# Allegro board MB1219_REVB_160112.brd (continued)
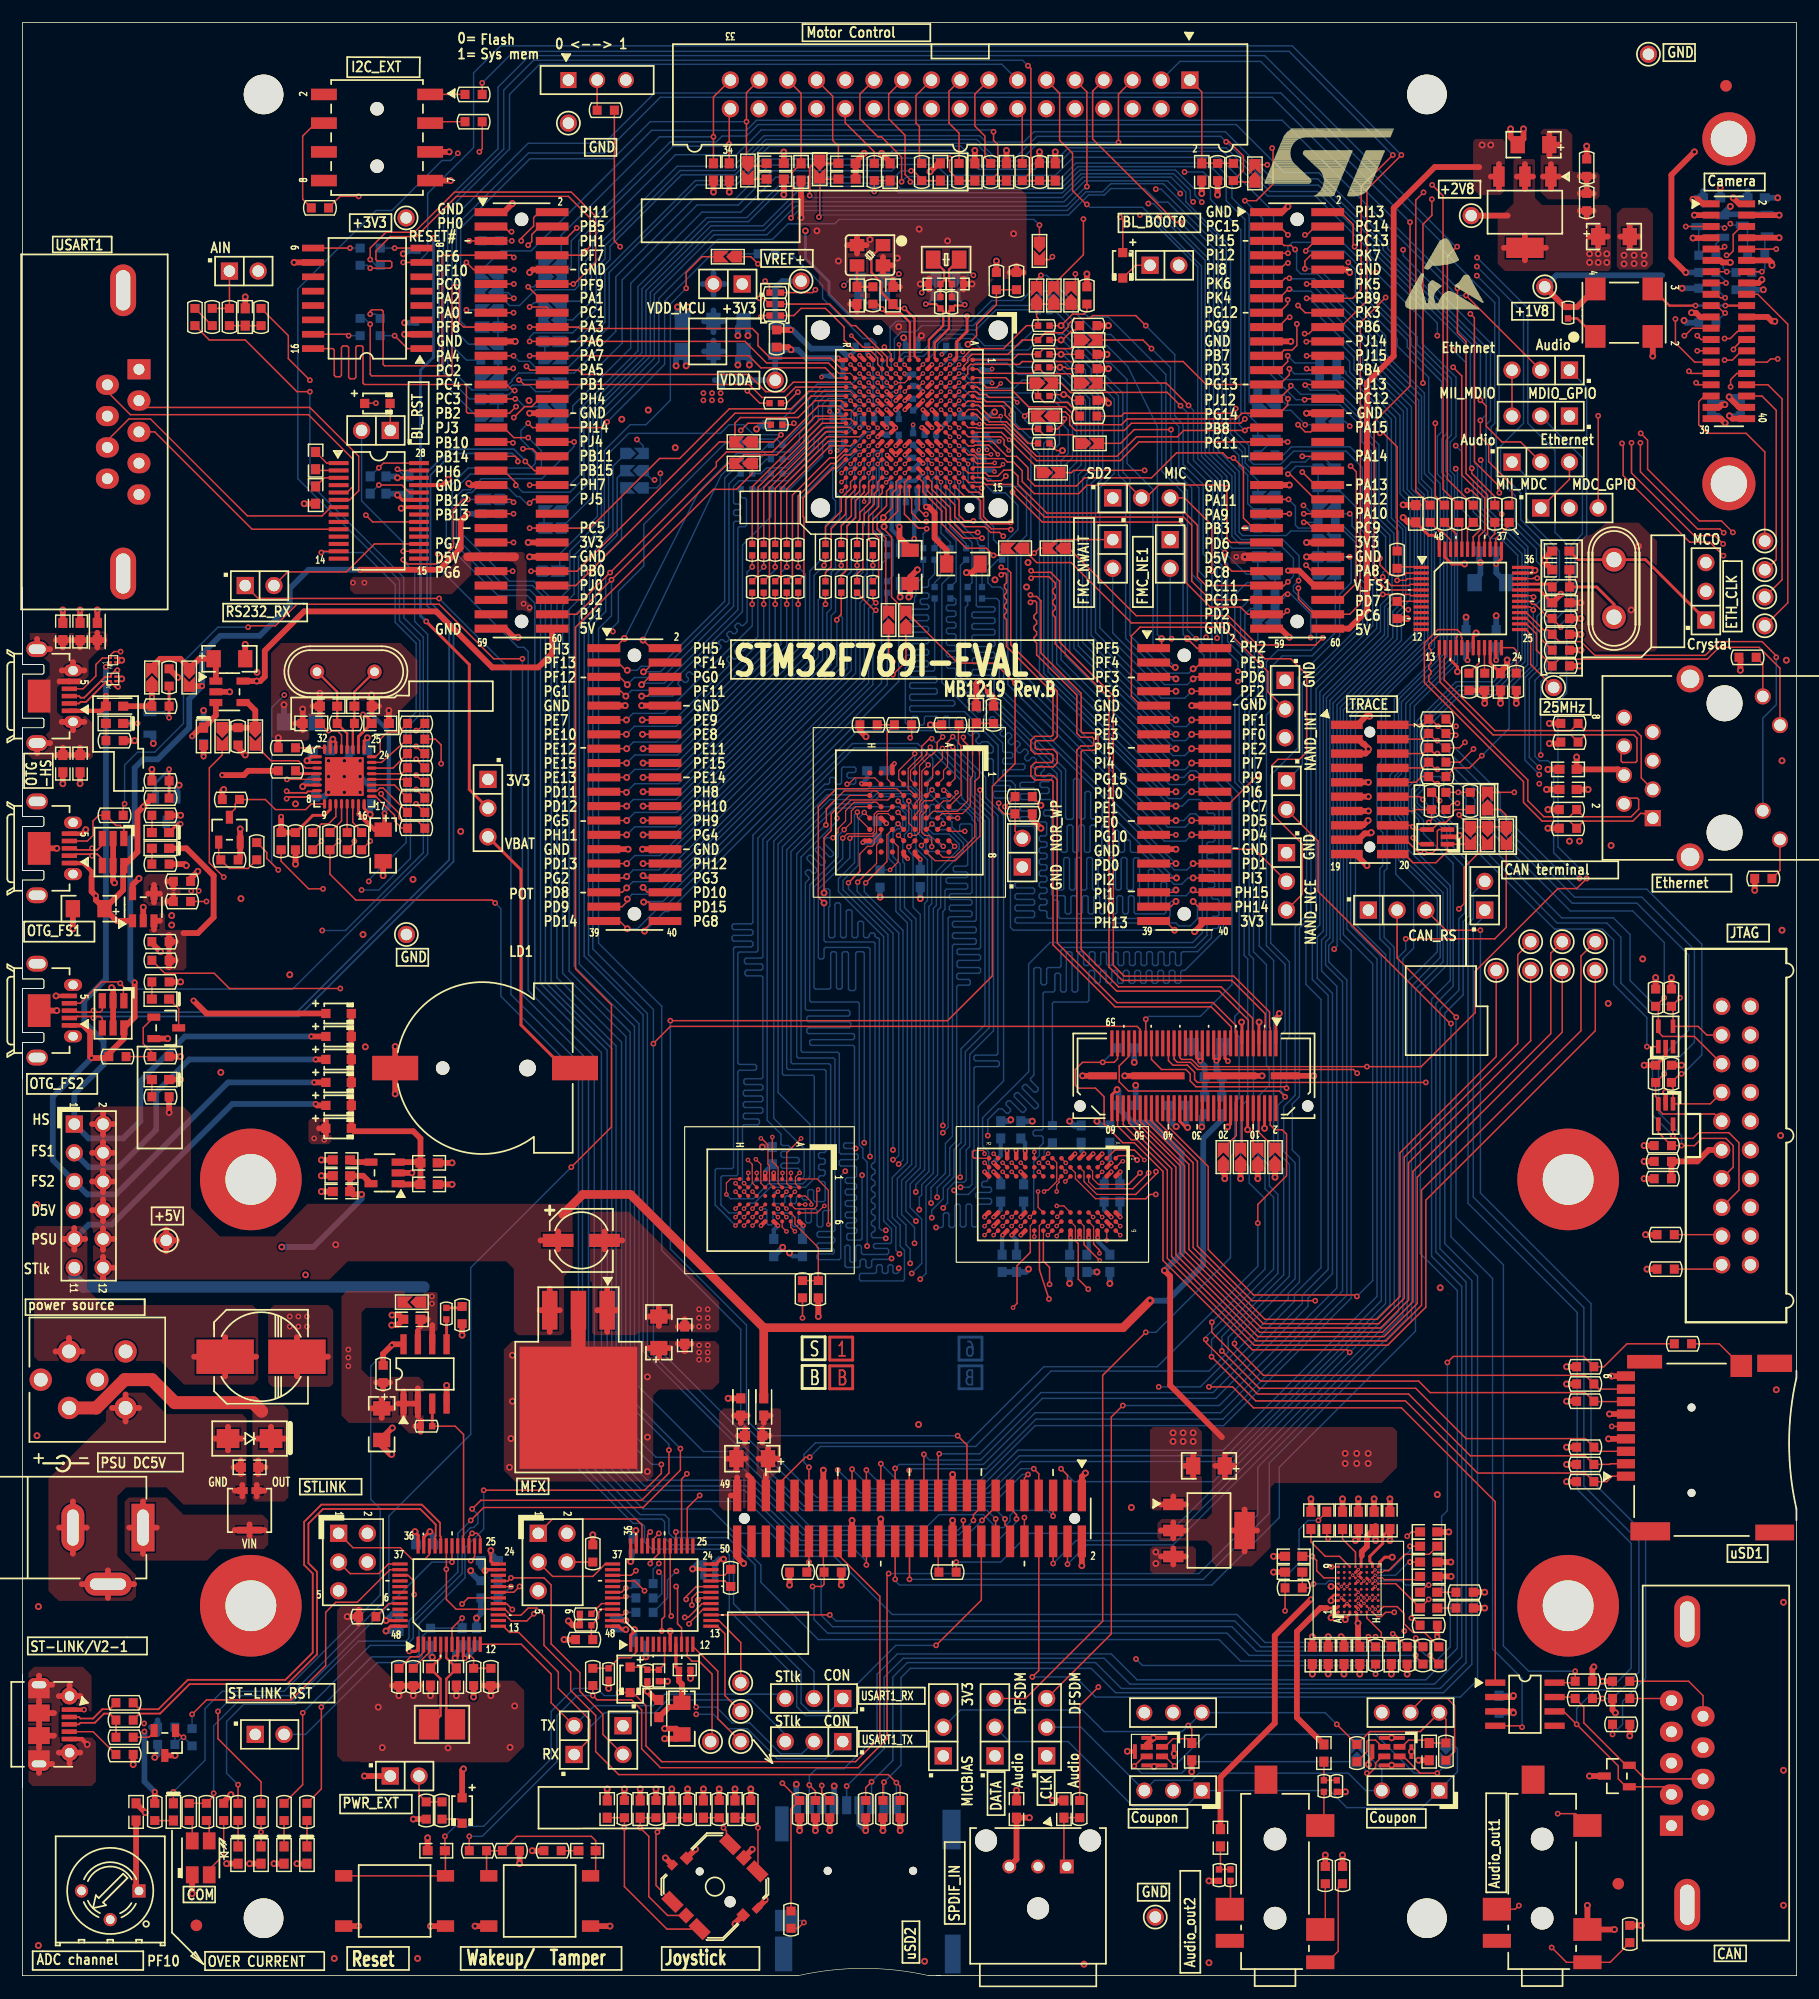
[diagram p0: board, top side]
## Routing (per net, layer and track width the routed paths; a pad name or vN(x,y) marks a point on that pad's centre or on a via; arc(x,y) is an arc through that point) (continued)
CAMERA_CLK: length 8.9
  TOP w0.203: X3.3 145.62,147.69 v1(147.93,147.69) ; CN4.20 v1(150.57,147.69)
  BOTTOM w0.203: v1(150.57,147.69) v1(147.93,147.69)
CEC: length 12.4
  TOP w0.127: U4.B6 83.58,139.26 84.16,139.26 84.23,139.19 84.71,139.19 85.09,138.81 86.58,138.81 86.88,138.51 86.88,137.99 88.09,136.78 R44.1 90.3,136.27 92.84,136.27 SB14.2
D0: length 150.3
  TOP w0.102: U9.E3 77.3,104.98 71.96,104.98 71.88,104.9 ; v3(85.06,66.29) U15.R8 ; U16.B6 67.92,66.2 v3(68.29,65.82)
  TOP w0.127: v4(70.87,94.87) 70.36,95.38 70.36,103.38 71.88,104.9 ; CN10.39 52.78,93.27 v4(53.47,92.58)
  L4_SIG w0.102: v3(68.29,65.82) 68.29,65.84 68.42,65.96 69.04,65.96 69.47,65.53 75.72,65.53 76.05,65.2 v1(76.33,65.2) 76.38,65.2 76.61,65.43 81.15,65.43 81.61,65.89 84.66,65.89 v3(85.06,66.29) ; v4(70.87,94.87) 70.87,93.22 70.59,92.94 70.33,92.94 70.23,93.04 70.23,93.34 70.13,93.45 69.93,93.45 69.82,93.34 69.82,93.04 69.72,92.94 69.52,92.94 69.42,93.04 69.42,93.34 69.32,93.45 69.11,93.45 69.01,93.34 69.01,93.04 68.91,92.94 68.71,92.94 68.61,93.04 68.61,93.34 68.5,93.45 68.3,93.45 68.2,93.34 68.2,93.04 68.1,92.94 67.89,92.94 67.79,93.04 67.79,93.34 67.69,93.45 67.49,93.45 67.39,93.34 67.39,93.04 67.28,92.94 67.08,92.94 66.98,93.04 66.98,93.34 66.88,93.45 66.67,93.45 66.57,93.34 66.57,93.04 66.47,92.94 66.27,92.94 66.17,93.04 66.17,93.34 66.07,93.45 65.86,93.45 65.76,93.34 65.76,93.04 65.66,92.94 65.46,92.94 65.35,93.04 65.35,93.34 65.25,93.45 65.05,93.45 64.95,93.34 64.95,93.04 64.85,92.94 64.64,92.94 64.54,93.04 64.54,93.34 64.44,93.45 64.24,93.45 64.14,93.34 64.14,93.04 64.03,92.94 63.83,92.94 63.73,93.04 63.73,93.34 63.63,93.45 63.42,93.45 63.32,93.34 63.32,93.04 63.22,92.94 63.02,92.94 62.92,93.04 62.92,93.34 62.81,93.45 62.61,93.45 62.51,93.34 62.51,93.04 62.41,92.94 62.2,92.94 62.1,93.04 62.1,93.34 62,93.45 61.8,93.45 61.7,93.34 61.7,93.04 61.59,92.94 61.39,92.94 61.29,93.04 61.29,93.34 61.19,93.45 60.99,93.45 60.88,93.34 60.88,93.04 60.78,92.94 60.58,92.94 60.48,93.04 60.48,93.34 60.38,93.45 60.17,93.45 60.07,93.34 60.07,93.04 59.97,92.94 59.77,92.94 59.66,93.04 59.66,93.34 59.56,93.45 59.36,93.45 59.26,93.34 59.26,93.04 59.16,92.94 58.95,92.94 58.85,93.04 58.85,93.34 58.75,93.45 58.55,93.45 58.45,93.34 58.45,93.04 58.34,92.94 58.14,92.94 58.04,93.04 58.04,93.34 57.94,93.45 57.73,93.45 57.63,93.34 57.63,93.04 57.53,92.94 57.33,92.94 57.23,93.04 57.23,93.34 57.12,93.45 56.92,93.45 56.82,93.34 56.82,93.04 56.72,92.94 56.52,92.94 56.41,93.04 56.41,93.34 56.31,93.45 56.11,93.45 56.01,93.34 56.01,93.04 55.91,92.94 55.7,92.94 55.6,93.04 55.6,93.34 55.5,93.45 55.3,93.45 55.19,93.34 55.19,93.04 55.09,92.94 54.86,92.94 54.51,92.58 v4(53.47,92.58)
  BOTTOM w0.127: v4(53.47,92.58) 54.36,92.58 56.39,94.61 56.9,94.61 76.45,114.17 R278.2 ; v4(70.87,94.87) 70.87,91.54 70.99,91.41 75.25,91.41 75.37,91.29 75.37,71.99 75.25,71.86 75.18,71.86 75.06,71.74 75.06,71.48 75.18,71.35 75.25,71.35 75.37,71.23 75.37,70.97 75.25,70.85 75.18,70.85 75.06,70.72 75.06,70.47 75.18,70.34 75.25,70.34 75.37,70.21 75.37,69.96 75.25,69.83 75.18,69.83 75.06,69.7 75.06,69.45 75.18,69.32 75.25,69.32 75.37,69.2 75.37,68.94 75.25,68.81 75.18,68.81 75.06,68.69 75.06,68.43 75.18,68.31 75.25,68.31 75.37,68.18 75.37,67.93 75.25,67.8 75.18,67.8 75.06,67.67 75.06,67.42 75.18,67.29 75.25,67.29 75.37,67.16 75.37,66.91 75.25,66.78 75.18,66.78 75.06,66.66 75.06,66.4 75.18,66.27 75.25,66.27 75.37,66.15 75.37,65.89 75.25,65.77 75.18,65.77 75.06,65.64 75.06,65.39 75.18,65.26 76.27,65.26 v1(76.33,65.2)
D0_N: length 27.8
  TOP w0.155: U8.8 25.65,104.29 25.59,104.35 25.39,104.35 25.26,104.23 23.48,104.23 v1(23.34,104.09) ; CN8.2 4.99,112.51 5.12,112.64 5.61,112.64 7.46,114.49 7.8,114.49 D4.A1 7.8,114.37 8.2,113.97 v1(8.44,113.97)
  L4_SIG w0.13: v1(8.44,113.97) 8.84,113.97 9.47,114.6 11.6,114.6 20.62,105.59 21.38,105.59 22.74,104.23 23.2,104.23 v1(23.34,104.09)
D0_P: length 27.7
  TOP w0.155: CN8.3 4.99,113.16 5.12,113.02 5.45,113.02 7.3,114.87 7.79,114.87 D4.A2 7.8,115.04 8.2,115.44 v1(8.38,115.44) ; U8.7 25.71,104.8 25.65,104.74 25.23,104.74 25.11,104.61 23.48,104.61 v1(23.34,104.75)
  L4_SIG w0.13: v1(8.38,115.44) 8.97,115.44 9.42,114.99 11.76,114.99 20.78,105.97 21.54,105.97 22.9,104.61 23.2,104.61 v1(23.34,104.75)
D1: length 150.7
  TOP w0.102: U16.C5 v3(67.54,67.08) ; 71.88,103.12 73.13,104.37 U9.H3 ; v3(86.66,67.09) U15.N7
  TOP w0.127: v4(70.87,95.76) 70.87,100.63 71.5,101.27 71.5,102.74 71.88,103.12 ; CN10.38 55.75,94.54 55.35,94.95 v4(54.91,94.95)
  L4_SIG w0.102: v4(70.87,95.76) 70.51,95.76 70.38,95.63 70.38,93.9 70.26,93.78 57.05,93.78 56.95,93.88 56.95,95 56.83,95.12 56.66,95.12 56.55,95 56.55,93.88 56.44,93.78 56.24,93.78 56.14,93.88 56.14,94.95 56.02,95.07 55.85,95.07 55.73,94.95 55.73,93.88 55.63,93.78 55.4,93.78 55.27,93.9 55.27,94.82 55.14,94.95 v4(54.91,94.95) ; v3(86.66,67.09) 86.26,66.69 84.85,66.69 84.35,66.19 81.46,66.19 81,65.74 76.5,65.74 v1(76.33,65.91) 75.28,65.91 75.13,66.07 74.87,66.07 74.72,65.91 74.47,65.91 74.31,66.07 74.06,66.07 73.91,65.91 73.65,65.91 73.5,66.07 73.25,66.07 73.09,65.91 72.84,65.91 72.69,66.07 72.43,66.07 72.28,65.91 72.03,65.91 71.88,66.07 71.62,66.07 71.47,65.91 70.87,65.91 70.74,66.04 70.74,66.43 70.61,66.56 70.36,66.56 70.23,66.43 70.23,66.14 70.1,66.01 69.82,66.01 69.7,66.14 69.7,66.67 69.29,67.08 68.35,67.08 68.22,66.95 68.22,66.73 68.1,66.6 67.92,66.6 67.79,66.73 67.79,66.95 67.67,67.08 v3(67.54,67.08)
  BOTTOM w0.127: R266.2 76.45,125.35 75.95,124.84 75.95,114.31 56.63,95 54.97,95 v4(54.91,94.95) ; v4(70.87,95.76) 70.87,95.99 70.99,96.11 71.25,96.11 71.37,95.99 71.37,94.59 71.27,94.49 71.27,91.92 71.4,91.8 71.69,91.8 71.82,91.92 71.82,94.74 71.95,94.87 72.2,94.87 72.33,94.74 72.33,91.92 72.45,91.8 72.71,91.8 72.83,91.92 72.83,94.13 72.96,94.26 73.22,94.26 73.34,94.13 73.34,91.92 73.47,91.8 73.72,91.8 73.85,91.92 73.85,93.12 73.98,93.24 74.23,93.24 74.36,93.12 74.36,91.92 74.49,91.8 74.74,91.8 74.87,91.92 74.87,92.08 74.99,92.2 75.25,92.2 75.37,92.08 75.37,91.92 75.5,91.8 75.63,91.8 75.76,91.67 75.76,66.1 75.95,65.91 v1(76.33,65.91)
D2: length 140.2
  TOP w0.102: v3(67.54,65.82) 67.16,66.2 U16.C6 ; v3(85.06,65.49) U15.R9 ; U9.E4 v5(77.41,103.87)
  TOP w0.127: CN11.31 v4(101.98,98.35)
  L4_SIG w0.102: v4(101.98,98.35) 100.03,98.35 98.98,99.39 86.92,99.39 86.79,99.52 86.79,101.47 86.66,101.6 86.21,101.6 86.11,101.5 86.11,99.52 86.01,99.42 85.8,99.42 85.7,99.52 85.7,101.5 85.6,101.6 85.4,101.6 85.3,101.5 85.3,99.52 85.19,99.42 84.99,99.42 84.89,99.52 84.89,101.5 84.79,101.6 82.3,101.6 81.84,101.14 79.76,101.14 77.41,103.49 v5(77.41,103.87) ; v3(85.06,65.49) 85.06,64.9 84.93,64.77 84.63,64.77 84.51,64.9 84.51,65.3 84.4,65.41 84.2,65.41 84.1,65.3 84.1,64.87 84,64.77 83.79,64.77 83.69,64.87 83.69,65.3 83.59,65.41 83.39,65.41 83.29,65.3 83.29,64.87 83.19,64.77 82.98,64.77 82.88,64.87 82.88,65.31 82.76,65.43 82.59,65.43 82.47,65.31 82.47,64.87 82.37,64.77 82.17,64.77 82.07,64.87 82.07,65.36 81.95,65.48 81.78,65.48 81.66,65.36 81.66,64.87 81.56,64.77 v1(78.87,64.77) 75.39,64.77 75.01,65.15 68.21,65.15 v3(67.54,65.82)
  BOTTOM w0.127: v4(101.98,98.35) 101.96,98.35 86.74,113.56 86.74,122.53 86.46,122.81 85.72,122.81 85.34,123.19 85.34,124.3 86.26,125.22 R272.2 ; v5(77.41,103.87) 77.41,103.82 78.36,102.87 78.36,101.31 77.97,100.92 77.97,100.27 77.83,100.13 77.83,98.51 77.98,98.36 77.98,94.46 78.99,93.45 78.99,71.6 77.72,70.33 77.72,67.31 78.87,66.17 v1(78.87,64.77)
D2_P: length 140.1
  TOP w0.155: CN13.3 4.69,99.69 4.83,99.56 6,99.56 v1(6.14,99.7) 6.28,99.56 6.6,99.56 7.05,100.01 D5.3
  L4_SIG w0.13: v1(113.26,130.02) 112.99,130.29 112.99,130.46 113.14,130.61 114.22,130.61 114.81,130.02 114.81,123.25 113.28,121.72 110.31,121.72 109.07,120.47 99.24,120.47 96.9,118.14 59.21,118.14 57.12,120.22 50.85,120.22 47.88,117.25 47.88,115.14 38.05,105.31 38.05,103.17 33.27,98.4 25.78,98.4 24.18,100 10.26,100 9.82,99.56 6.28,99.56 v1(6.14,99.7)
  BOTTOM w0.127: v1(113.26,130.02) 113.28,130.02 114.02,129.29 115.06,129.29 115.49,129.72
D3: length 141.1
  TOP w0.102: U9.H4 74.89,103.39 73.67,103.39 73.28,103 73.28,101.98 v5(72.64,101.35) ; U16.D5 v3(66.79,67.08) ; v3(86.66,66.29) U15.N8
  TOP w0.127: CN11.32 v4(103.5,98.35)
  L4_SIG w0.102: v3(86.66,66.29) 86.48,66.29 86.11,65.91 85.72,65.91 85.47,65.66 85.47,64.87 85.06,64.47 79.2,64.47 78.99,64.26 74.93,64.26 v1(74.68,64.52) 74.15,64.52 74.05,64.62 74.05,64.72 73.95,64.82 73.74,64.82 73.64,64.72 73.64,64.62 73.54,64.52 73.34,64.52 73.23,64.62 73.23,64.72 73.13,64.82 72.93,64.82 72.83,64.72 72.83,64.62 72.73,64.52 72.52,64.52 72.42,64.62 72.42,64.72 72.32,64.82 72.12,64.82 72.01,64.72 72.01,64.62 71.91,64.52 71.71,64.52 71.61,64.62 71.61,64.72 71.51,64.82 71.3,64.82 71.2,64.72 71.2,64.62 71.1,64.52 70.9,64.52 70.8,64.62 70.8,64.72 70.69,64.82 70.49,64.82 70.39,64.72 70.39,64.62 70.29,64.52 70.08,64.52 69.98,64.62 69.98,64.72 69.88,64.82 69.68,64.82 69.58,64.72 69.58,64.62 69.47,64.52 69.27,64.52 69.17,64.62 69.17,64.72 69.07,64.82 68.87,64.82 68.76,64.72 68.76,64.62 68.66,64.52 68.3,64.52 67.18,65.63 67.18,66.69 v3(66.79,67.08) ; v5(72.64,101.35) 72.76,101.23 78.73,101.23 79.38,100.58 82.47,100.58 84.05,99.01 98.73,99.01 99.87,97.87 102.57,97.87 103.05,98.35 v4(103.5,98.35)
  BOTTOM w0.127: v5(72.64,101.35) 72.11,100.81 72.11,98.96 69.6,96.44 69.6,86.23 69.72,86.11 73.85,86.11 73.98,85.98 73.98,73.48 74.3,73.16 74.3,72.34 74.68,71.96 v1(74.68,64.52) ; R283.2 86.14,121.79 86.36,121.57 86.36,113.39 101.49,98.26 101.49,98.14 101.84,97.79 102.95,97.79 v4(103.5,98.35)
D4: length 131.7
  TOP w0.102: v3(85.86,65.49) U15.P9 ; U16.E5 v3(65.29,67.08) ; U9.H5 74.91,102.38 v5(74.42,102.87)
  TOP w0.127: v1(64.52,121.28) R62.2 ; CN10.11 v4(53.39,111.05)
  L4_SIG w0.102: v4(53.39,111.05) 54.13,110.31 55.22,110.31 55.32,110.41 55.32,110.79 55.42,110.9 55.63,110.9 55.73,110.79 55.73,110.41 55.83,110.31 56.03,110.31 56.13,110.41 56.13,110.79 56.24,110.9 56.44,110.9 56.54,110.79 56.54,110.41 56.64,110.31 56.84,110.31 56.95,110.41 56.95,110.79 57.05,110.9 57.25,110.9 57.35,110.79 57.35,110.41 57.45,110.31 57.66,110.31 57.76,110.41 57.76,110.79 57.86,110.9 58.06,110.9 58.17,110.79 58.17,110.41 58.27,110.31 58.47,110.31 58.57,110.41 58.57,110.79 58.67,110.9 58.88,110.9 58.98,110.79 58.98,110.41 59.08,110.31 59.28,110.31 59.38,110.41 59.38,110.79 59.49,110.9 59.69,110.9 59.79,110.79 59.79,110.41 59.89,110.31 60.1,110.31 60.2,110.41 60.2,110.79 60.3,110.9 60.5,110.9 60.6,110.79 60.6,110.41 60.71,110.31 60.91,110.31 61.01,110.41 61.01,110.79 61.11,110.9 61.32,110.9 61.42,110.79 61.42,110.41 61.52,110.31 61.72,110.31 61.82,110.41 61.82,110.79 61.92,110.9 62.13,110.9 62.23,110.79 62.23,110.41 62.33,110.31 62.53,110.31 62.64,110.41 62.64,110.79 62.74,110.9 62.94,110.9 63.04,110.79 63.04,110.41 63.14,110.31 63.35,110.31 63.45,110.41 63.45,110.79 63.55,110.9 63.75,110.9 63.86,110.79 63.86,110.41 63.96,110.31 64.16,110.31 64.26,110.41 64.26,110.79 64.36,110.9 64.57,110.9 64.67,110.79 64.67,110.41 64.77,110.31 64.97,110.31 65.07,110.41 65.07,110.68 65.19,110.79 65.36,110.79 65.48,110.68 65.48,110.41 65.58,110.31 65.84,110.31 70.22,105.93 70.22,105.78 69.68,105.24 69.68,105.07 69.8,104.95 69.97,104.95 70.51,105.5 70.65,105.5 70.84,105.31 70.84,105.17 70.24,104.58 70.24,104.43 70.39,104.29 70.53,104.29 71.12,104.88 71.27,104.88 71.41,104.74 71.41,104.59 70.82,104 70.82,103.86 70.96,103.71 71.11,103.71 71.7,104.31 71.84,104.31 73.66,102.49 74.04,102.49 v5(74.42,102.87) ; v3(85.86,65.49) 85.86,64.83 85.19,64.16 82.63,64.16 82.53,64.06 82.53,63.7 82.43,63.6 82.23,63.6 82.13,63.7 82.13,64.06 82.02,64.16 81.82,64.16 81.72,64.06 81.72,63.7 81.62,63.6 81.41,63.6 81.31,63.7 81.31,64.06 81.21,64.16 81.01,64.16 80.91,64.06 80.91,63.7 80.81,63.6 80.6,63.6 80.5,63.7 80.5,64.06 80.4,64.16 80.2,64.16 80.09,64.06 80.09,63.7 79.99,63.6 79.79,63.6 79.69,63.7 79.69,64.06 79.59,64.16 79.32,64.16 79.04,63.88 77.6,63.88 77.55,63.83 v1(77.53,63.83) 77.48,63.88 68.5,63.88 65.78,66.61 65.76,66.61 v3(65.29,67.08)
  BOTTOM w0.127: v1(77.53,63.83) 77.22,64.15 77.22,66.2 76.52,66.9 76.52,92.06 72.54,96.04 72.54,96.85 73.89,98.2 73.89,102.34 v5(74.42,102.87) ; v4(53.39,111.05) 53.98,111.63 56.77,111.63 64.52,119.38 v1(64.52,121.28)
D5: length 138.6
  TOP w0.102: U16.F5 v3(64.54,67.08) ; U9.E5 v5(77.41,102.87) ; v3(87.46,66.29) U15.M8
  TOP w0.127: R54.2 v1(66.55,124.59) ; CN10.14 v4(54.81,109.78)
  L4_SIG w0.102: v3(87.46,66.29) 87.46,66.12 87.1,65.77 87.1,65 86.98,64.87 86.66,64.87 86.54,64.74 86.54,64.62 86.66,64.49 87.15,64.49 87.27,64.36 87.27,64.19 87.15,64.06 85.96,64.06 85.84,63.93 85.84,63.09 85.74,62.99 85.42,62.99 85.32,63.09 85.32,63.42 85.22,63.53 85.01,63.53 84.91,63.42 84.91,63.09 84.81,62.99 84.61,62.99 84.51,63.09 84.51,63.42 84.4,63.53 84.2,63.53 84.1,63.42 84.1,63.09 84,62.99 83.79,62.99 83.69,63.09 83.69,63.42 83.59,63.53 83.39,63.53 83.29,63.42 83.29,63.09 83.19,62.99 v1(78.49,62.99) 67.34,62.99 64.15,66.18 64.15,66.69 v3(64.54,67.08) ; v5(77.41,102.87) 75.2,102.87 74.55,102.22 73.29,102.22 72.39,103.12 71.07,103.12 69.1,105.09 69.1,105.23 69.57,105.7 69.57,105.84 69.43,105.99 69.28,105.99 68.82,105.52 68.67,105.52 68.53,105.66 68.53,105.81 69,106.27 69,106.42 68.85,106.56 68.71,106.56 68.24,106.09 68.1,106.09 67.95,106.24 67.95,106.38 68.42,106.85 68.42,106.99 68.28,107.14 68.13,107.14 67.67,106.67 67.52,106.67 67.38,106.81 67.38,106.96 67.85,107.42 67.85,107.57 67.7,107.71 67.56,107.71 67.09,107.24 66.95,107.24 66.8,107.39 66.8,107.53 67.27,108 67.27,108.14 67.13,108.29 66.98,108.29 66.52,107.82 66.37,107.82 66.23,107.96 66.23,108.11 66.7,108.57 66.7,108.72 66.55,108.86 66.41,108.86 65.94,108.4 65.8,108.4 65.65,108.54 65.65,108.68 66.12,109.15 66.12,109.29 65.98,109.44 65.83,109.44 65.37,108.97 65.22,108.97 65.08,109.11 65.08,109.26 65.55,109.72 65.55,109.87 65.4,110.01 65.26,110.01 64.79,109.55 64.65,109.55 64.41,109.78 v4(54.81,109.78)
  BOTTOM w0.127: v5(77.41,102.87) 77.82,102.46 77.82,101.7 77.54,101.42 77.34,101.42 76.96,101.04 76.96,98.96 77.6,98.33 77.6,94.28 78.61,93.27 78.61,71.75 77.34,70.48 77.34,67.15 78.11,66.39 78.11,64.64 78.49,64.26 v1(78.49,62.99) ; v4(54.81,109.78) 57.84,109.78 66.04,117.98 66.04,123.83 66.55,124.33 v1(66.55,124.59)
D6: length 137
  TOP w0.102: v5(73.81,102.89) 73.81,102.46 74.91,101.37 U9.H6 ; U16.F6 v3(64.54,66.33) ; v3(87.46,67.09) U15.M7
  TOP w0.127: CN10.12 v4(54.79,111.05) ; R53.2 v1(65.53,124.59)
  L4_SIG w0.102: v5(73.81,102.89) 65.48,111.23 54.97,111.23 v4(54.79,111.05) ; v3(64.54,66.33) 64.54,66.32 67.44,63.42 v1(76.83,63.42) 76.96,63.3 77.77,63.3 77.98,63.5 78.69,63.5 78.89,63.3 82.75,63.3 82.88,63.42 82.88,63.7 83.01,63.83 85.29,63.83 86.23,64.77 86.23,65.57 86.51,65.84 86.72,65.84 87.01,66.14 87.01,66.64 v3(87.46,67.09)
  BOTTOM w0.127: v1(65.53,124.59) 65.01,124.07 65.01,118.42 64.48,117.88 64.3,117.88 64.06,118.11 63.88,118.11 63.7,117.93 63.7,117.75 63.94,117.52 63.94,117.34 63.76,117.16 63.58,117.16 63.34,117.39 63.16,117.39 62.98,117.21 62.98,117.03 63.22,116.8 63.22,116.62 63.04,116.44 62.86,116.44 62.63,116.67 62.45,116.67 62.27,116.5 62.27,116.32 62.5,116.08 62.5,115.9 57.64,111.05 v4(54.79,111.05) ; v5(73.81,102.89) 73.56,102.64 73.56,98.42 72.14,97 72.14,95.89 76.14,91.88 76.14,66.74 76.83,66.04 76.83,64.87 76.71,64.74 75.36,64.74 75.23,64.62 75.23,64.44 75.36,64.31 76.45,64.31 76.58,64.19 76.58,63.91 76.45,63.78 74.3,63.78 74.17,63.91 74.17,64.47 74.05,64.59 73.79,64.59 73.66,64.47 73.66,63.22 73.54,63.09 73.28,63.09 73.15,63.22 73.15,64.47 73.03,64.59 72.85,64.59 72.72,64.47 72.72,62.76 72.85,62.64 73.93,62.64 74.06,62.76 74.06,63.22 74.19,63.35 74.44,63.35 74.57,63.22 74.57,62.74 74.7,62.61 74.95,62.61 75.08,62.74 75.08,63.22 75.2,63.35 76.76,63.35 v1(76.83,63.42)
D7: length 134.7
  TOP w0.102: U16.G6 v3(63.79,66.33) ; v3(88.26,66.29) U15.L8 ; U9.E6 v5(77.41,101.87)
  TOP w0.127: R63.2 v1(65.53,121.28) ; CN10.13 v4(53.39,109.78)
  L4_SIG w0.102: v4(53.39,109.78) 53.95,109.22 64.52,109.22 70.97,102.77 72.24,102.77 73.15,101.85 75.18,101.85 75.31,101.98 75.31,102.36 75.44,102.49 77.28,102.49 77.41,102.36 v5(77.41,101.87) ; v3(63.79,66.33) 63.79,66.11 67.34,62.56 v1(77.47,62.56) 77.5,62.53 86.08,62.53 86.56,63.02 86.56,63.16 86.26,63.46 86.26,63.63 86.38,63.75 86.55,63.75 86.85,63.45 86.99,63.45 87.88,64.34 87.88,65.91 v3(88.26,66.29)
  BOTTOM w0.127: v1(77.47,62.56) 77.47,62.23 77.34,62.1 77.09,62.1 76.96,62.23 76.96,62.74 76.83,62.87 76.65,62.87 76.52,62.74 76.52,62.23 76.4,62.1 76.14,62.1 76.02,62.23 76.02,62.74 75.89,62.87 75.64,62.87 75.51,62.74 75.51,62.23 75.38,62.1 74.12,62.1 73.99,61.98 73.99,61.57 74.12,61.44 77.85,61.44 77.98,61.57 77.98,64.14 77.6,64.52 77.6,66.36 76.9,67.05 76.9,70.58 78.23,71.91 78.23,93.11 77.22,94.13 77.22,98.17 76.58,98.81 76.58,101.05 77.34,101.81 77.35,101.81 v5(77.41,101.87) ; v4(53.39,109.78) 54.1,110.49 57.78,110.49 65.53,118.24 v1(65.53,121.28)
D8: length 144.9
  TOP w0.102: v5(72.01,102.36) 72.01,102.74 73.24,103.97 76.51,103.97 U9.F3 ; v3(67.94,70.99) 67.92,70.97 U16.B1 ; v3(88.26,71.89) U15.L2
  TOP w0.127: R55.2 v1(67.56,124.59) ; CN10.16 v4(54.86,108.51)
  L4_SIG w0.102: v3(67.94,70.99) 67.69,70.99 67.56,70.87 67.56,70.46 67.44,70.33 65.38,70.33 65.25,70.21 65.25,69.67 65.38,69.55 65.58,69.55 65.71,69.67 65.71,69.93 65.83,70.05 66,70.05 66.13,69.93 66.13,69.79 66.23,69.69 66.43,69.69 66.53,69.79 66.53,69.93 66.64,70.03 66.84,70.03 66.94,69.93 66.94,69.79 67.04,69.69 67.24,69.69 67.35,69.79 67.35,69.93 67.45,70.03 69.65,70.03 70.33,70.71 74.15,70.71 v1(74.23,70.79) 74.35,70.66 82.3,70.66 82.68,71.04 84.15,71.04 84.66,70.53 87.62,70.53 87.88,70.79 87.88,71.51 v3(88.26,71.89) ; v5(72.01,102.36) 70.94,102.36 64.8,108.51 v4(54.86,108.51)
  BOTTOM w0.127: v1(67.56,124.59) 67.06,124.08 67.06,117.73 57.84,108.51 v4(54.86,108.51) ; v5(72.01,102.36) 72.01,102.11 68.83,98.93 68.83,81.79 68.96,81.66 72.09,81.66 72.21,81.53 72.21,72.8 72.34,72.67 73.76,72.67 73.89,72.54 73.89,72.29 73.76,72.16 72.34,72.16 72.21,72.03 72.21,71.73 72.34,71.6 73.61,71.6 73.74,71.48 73.74,70.7 73.61,70.57 72.87,70.57 72.75,70.45 72.75,70.19 72.87,70.07 73.61,70.07 73.74,69.94 73.74,69.68 73.61,69.56 72.87,69.56 72.75,69.43 72.75,69.18 72.87,69.05 73.61,69.05 73.74,68.92 73.74,68.67 73.61,68.54 72.87,68.54 72.75,68.41 72.75,68.16 72.87,68.03 73.61,68.03 73.74,67.91 73.74,67.65 73.61,67.53 72.87,67.53 72.75,67.4 72.75,67.14 72.87,67.02 73.61,67.02 73.74,66.89 73.74,66.7 73.61,66.57 72.95,66.57 72.82,66.45 72.82,66.24 72.95,66.12 73.63,66.12 73.76,65.99 73.76,65.76 73.63,65.63 73,65.63 72.87,65.51 72.87,65.18 73,65.05 74.1,65.05 74.23,65.18 v1(74.23,70.79)
D9: length 142.9
  TOP w0.102: v3(67.19,70.99) 67.19,70.48 U16.C1 ; v3(87.46,71.09) U15.M3 ; 71.88,104.01 72.64,104.78 75.5,104.78 U9.G3
  TOP w0.127: v1(71.03,101.77) 71.07,101.8 71.07,103.2 71.88,104.01 ; R64.2 v1(66.55,121.28) ; CN10.15 v4(53.42,108.51)
  L4_SIG w0.102: v3(87.46,71.09) 87.1,70.73 84.91,70.73 84.3,71.35 82.52,71.35 82.14,70.97 74.75,70.97 74.45,71.27 73.84,71.27 73.71,71.15 v1(72.75,71.15) 71.78,71.15 71.55,71.37 71.37,71.37 71.25,71.25 71.25,71.12 71.12,70.99 70.94,70.99 70.82,71.12 70.82,71.25 70.69,71.37 70.48,71.37 70.38,71.27 70.38,71.12 70.28,71.02 70.08,71.02 69.98,71.12 69.98,71.27 69.87,71.37 69.67,71.37 69.57,71.27 69.57,70.4 69.45,70.28 67.95,70.28 67.84,70.39 67.84,70.53 67.95,70.64 69.01,70.64 69.14,70.76 69.14,71.25 69.01,71.37 65.51,71.37 65.28,71.15 65.28,70.74 65.41,70.61 67.01,70.61 67.19,70.8 v3(67.19,70.99) ; v1(71.03,101.77) 64.97,107.82 54.61,107.82 53.92,108.51 v4(53.42,108.51)
  BOTTOM w0.127: v1(72.75,71.15) 72.34,70.74 72.34,63.45 72.21,63.32 70.36,63.32 70.23,63.45 70.23,63.7 70.36,63.83 71.65,63.83 71.78,63.96 71.78,64.16 71.65,64.29 70.36,64.29 70.23,64.41 70.23,64.67 70.36,64.8 71.68,64.8 71.81,64.92 71.81,65.18 71.68,65.3 70.38,65.3 70.26,65.43 70.26,65.68 70.38,65.81 71.7,65.81 71.83,65.94 71.83,81.03 71.7,81.15 68.58,81.15 68.45,81.28 68.45,99.21 71.01,101.77 v1(71.03,101.77) ; v4(53.42,108.51) 54,109.09 57.78,109.09 66.55,117.86 v1(66.55,121.28)
D10: length 144.9
  TOP w0.102: v3(87.46,71.89) U15.M2 ; v5(72.52,100.6) 72.9,100.98 75.11,100.98 75.31,101.18 75.31,102.71 75.57,102.97 76.51,102.97 U9.F4 ; 66.29,73.15 66.29,72.01 66.8,71.5 66.8,70.07 U16.C2
  TOP w0.127: R66.2 v1(68.58,121.28) ; v3(66.29,74.17) 66.29,73.15 ; CN10.19 v4(53.42,105.97)
  L4_SIG w0.102: v3(87.46,71.89) 86.45,72.9 86.45,73.09 85.75,73.79 74.55,73.79 v1(74.42,73.66) 66.42,73.66 66.29,73.79 v3(66.29,74.17) ; v5(72.52,100.6) 72,101.12 71.53,101.12 71.37,100.97 70.64,100.97 70.12,101.49 69.97,101.49 69.52,101.03 69.38,101.03 69.23,101.18 69.23,101.32 69.68,101.77 69.68,101.92 69.54,102.06 69.4,102.06 68.94,101.61 68.8,101.61 68.66,101.75 68.66,101.9 69.11,102.35 69.11,102.49 68.97,102.64 68.82,102.64 68.37,102.18 68.23,102.18 68.08,102.33 68.08,102.47 68.53,102.92 68.53,103.07 68.39,103.21 68.25,103.21 67.79,102.76 67.65,102.76 67.51,102.9 67.51,103.05 67.96,103.5 67.96,103.64 67.82,103.79 67.67,103.79 67.22,103.33 67.08,103.33 66.93,103.48 66.93,103.62 67.38,104.07 67.38,104.22 67.24,104.36 67.1,104.36 66.64,103.91 66.5,103.91 66.36,104.05 66.36,104.2 66.81,104.65 66.81,104.79 66.67,104.94 66.52,104.94 66.07,104.48 65.93,104.48 65.78,104.63 65.78,104.77 66.23,105.22 66.23,105.37 65.05,106.55 54,106.55 v4(53.42,105.97)
  BOTTOM w0.127: v5(72.52,100.6) 72.52,98.81 69.98,96.27 69.98,87.38 70.1,87.25 71.33,87.25 71.46,87.38 71.46,90.42 71.58,90.55 71.84,90.55 71.96,90.42 71.96,87.38 72.09,87.25 72.35,87.25 72.47,87.38 72.47,90.42 72.6,90.55 72.9,90.55 73.03,90.42 73.03,87.25 73.15,87.12 73.53,87.12 73.66,87.25 73.66,90.42 73.79,90.55 74.3,90.55 74.42,90.42 v1(74.42,73.66) ; v4(53.42,105.97) 54.13,106.68 57.91,106.68 68.58,117.35 v1(68.58,121.28)
D11: length 146.6
  TOP w0.102: U9.G4 75.51,103.77 73.52,103.77 72.77,103.02 72.77,102.11 72.11,101.45 72.11,101.09 71.88,100.86 ; 65.9,73.15 65.9,71.77 66.04,71.63 66.04,70.08 U16.D2 ; v3(85.86,72.69) U15.P1
  TOP w0.127: v3(65.28,74.04) 65.34,74.04 65.9,73.48 65.9,73.15 ; CN10.20 v4(54.86,105.97) ; 71.88,100.86 v5(71.65,100.63) ; R56.2 v1(68.58,124.59)
  L4_SIG w0.102: v4(54.86,105.97) 63.98,105.97 69.37,100.58 71.6,100.58 v5(71.65,100.63) ; v3(65.28,74.04) 65.46,74.04 66.14,73.36 73.46,73.36 v1(73.66,73.15) 74.52,73.15 74.86,73.48 85.58,73.48 85.86,73.2 v3(85.86,72.69)
  BOTTOM w0.127: v1(68.58,124.59) 69.22,123.95 69.22,117.35 57.84,105.97 v4(54.86,105.97) ; v1(73.66,73.15) 72.72,73.15 72.59,73.28 72.59,73.51 72.72,73.63 73.43,73.63 73.56,73.76 73.56,82.14 73.43,82.27 69.72,82.27 69.6,82.4 69.6,82.65 69.72,82.78 73.43,82.78 73.56,82.91 73.56,83.19 73.43,83.31 69.47,83.31 69.34,83.44 69.34,83.69 69.47,83.82 73.1,83.82 73.23,83.95 73.23,84.23 73.1,84.35 69.47,84.35 69.34,84.48 69.34,84.73 69.47,84.86 73.03,84.86 73.15,84.99 73.15,85.24 73.03,85.37 69.34,85.37 69.22,85.5 69.22,96.65 69.52,96.95 69.52,97.13 69.22,97.43 69.22,97.61 69.4,97.79 69.58,97.79 69.88,97.49 70.06,97.49 70.24,97.67 70.24,97.85 69.36,98.72 69.36,98.9 69.54,99.08 69.72,99.08 70.6,98.21 70.78,98.21 70.98,98.41 70.98,98.59 70.11,99.47 70.11,99.65 70.29,99.83 70.47,99.83 71.34,98.95 71.52,98.95 71.7,99.13 71.7,99.31 70.83,100.19 70.83,100.37 71.09,100.63 v5(71.65,100.63)
D12: length 141.4
  TOP w0.102: U16.E2 65.28,70.09 65.28,71.75 v3(64.84,72.2) ; v5(73.15,100.58) 73.33,100.76 75.19,100.76 75.51,101.09 75.51,102.61 75.67,102.77 76.51,102.77 U9.F5 ; v3(86.66,71.89) U15.N2
  TOP w0.127: R65.2 v1(67.56,121.28) ; CN10.17 v4(53.42,107.24)
  L4_SIG w0.102: v3(86.66,71.89) 86.4,71.89 86.03,72.26 84.84,72.26 84.51,72.59 75.74,72.59 75.59,72.44 v1(74.93,72.44) 74.81,72.32 72.95,72.32 72.85,72.43 72.85,72.64 72.75,72.75 72.55,72.75 72.44,72.64 72.44,72.43 72.34,72.32 64.96,72.32 v3(64.84,72.2) ; v4(53.42,107.24) 52.83,106.65 52.83,105.69 53.09,105.44 55.47,105.44 55.57,105.33 55.57,104.42 55.67,104.32 55.9,104.32 56,104.42 56,105.51 56.11,105.61 56.31,105.61 56.41,105.51 56.41,104.42 56.51,104.32 56.72,104.32 56.82,104.42 56.82,105.51 56.92,105.61 57.12,105.61 57.22,105.51 57.22,104.42 57.33,104.32 57.53,104.32 57.63,104.42 57.63,105.51 57.73,105.61 57.94,105.61 58.04,105.51 58.04,104.42 58.14,104.32 58.34,104.32 58.44,104.42 58.44,105.51 58.54,105.61 58.75,105.61 58.85,105.51 58.85,104.42 58.95,104.32 59.15,104.32 59.26,104.42 59.26,105.51 59.36,105.61 59.56,105.61 59.66,105.51 59.66,104.42 59.76,104.32 59.97,104.32 60.07,104.42 60.07,105.51 60.17,105.61 60.37,105.61 60.48,105.51 60.48,104.42 60.58,104.32 60.78,104.32 60.88,104.42 60.88,105.51 60.98,105.61 61.19,105.61 61.29,105.51 61.29,104.42 61.39,104.32 61.59,104.32 61.69,104.42 61.69,105.51 61.8,105.61 62,105.61 62.1,105.51 62.1,104.42 62.2,104.32 62.41,104.32 62.51,104.42 62.51,105.51 62.61,105.61 62.81,105.61 62.91,105.51 62.91,104.42 63.02,104.32 63.22,104.32 63.32,104.42 63.32,105.51 63.42,105.61 63.62,105.61 63.73,105.51 63.73,104.42 63.83,104.32 65.02,104.32 69.14,100.2 72.77,100.2 v5(73.15,100.58)
  BOTTOM w0.127: v5(73.15,100.58) 73.15,98.86 70.36,96.06 70.36,90.04 70.48,89.92 70.74,89.92 70.87,90.04 70.87,90.81 70.99,90.93 74.8,90.93 74.93,90.81 v1(74.93,72.44) ; v1(67.56,121.28) 67.56,117.6 57.91,107.95 54.13,107.95 v4(53.42,107.24)